# Allegro board 1156197-TDI_VU3P_QSFP28_CXP_V001_1023A-166-20241121_1644_PCB.brd (continued)
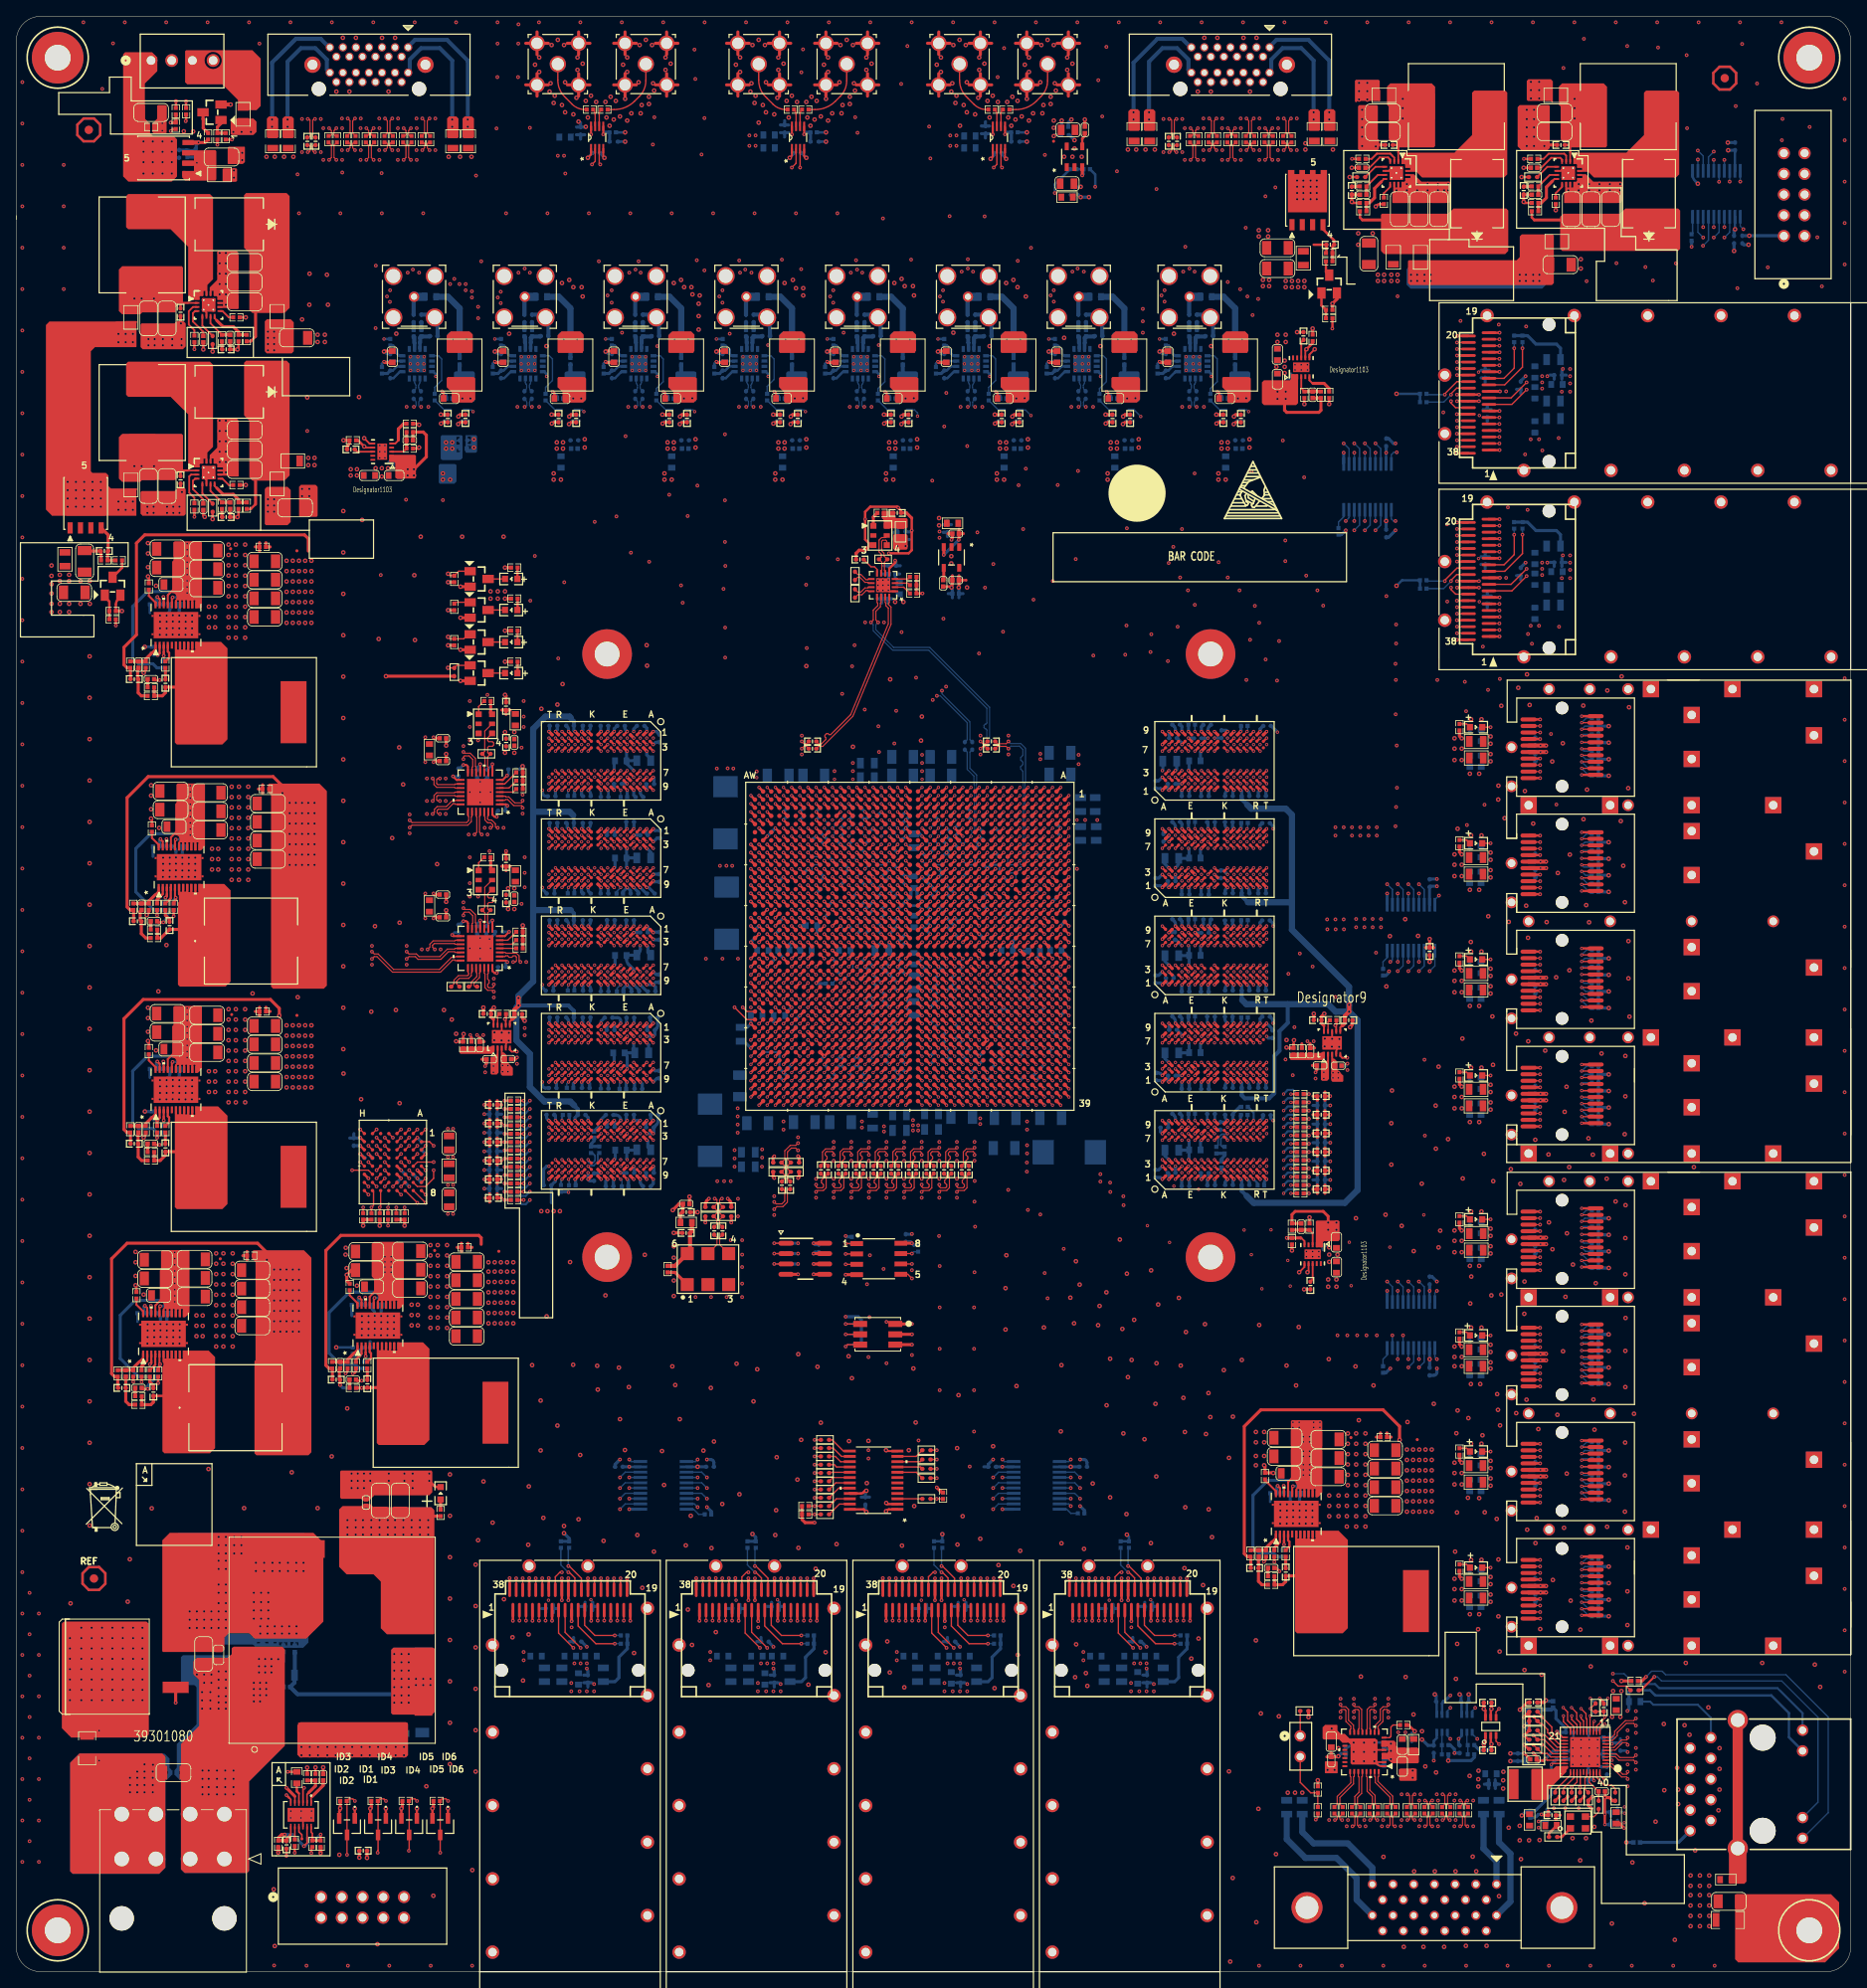
[diagram p0: board, top side]
## Nets (continued)
N23242165: C543.1(CAP2) L41.1 U26.14(PLL1)
N23244330: R280.1 U26.5(TXLF)
N23320159: DS1.2 Q1.3(DRAIN)
N23322808: C2.1(CAP2) C3.1(CAP2) L1.2 U1.W16(VCCADC)
N23413791: R127.1 U13.N9(TEN)
N23413831: R128.2 U13.F9(ZQ)
N23414482: R129.1 U14.N9(TEN)
N23414502: R130.2 U14.F9(ZQ)
N23419167: R131.1 U16.N9(TEN)
N23419176: R133.2 U16.F9(ZQ)
N23419798: C423.1(CAP2) R168.2 R169.2
N23421217: C409.2(CAP1) R155.2 R158.2 U18.1(REFIN)
N23421274: R154.2 U18.9(PGOOD)
N23421546: R132.1 U15.N9(TEN)
N23421558: R134.2 U15.F9(ZQ)
N23421763: R164.1 U17.N9(TEN)
N23421783: R166.2 U17.F9(ZQ)
N23809338: R71.1 U1.P18(VREF_48)
N23917846: R37.1 U1.AF22(VREF_64)
N23968505: R61.1 U1.AF16(VREF_67)
N23971155: R60.1 U1.AF12(VREF_68)
N23983374: R81.2 U1.C22(IO_T0U_N12_VRP_46)
N24010376: R70.2 U1.AJ18(IO_T0U_N12_VRP_66)
N24127214: C652.2(CAP1) L73.2 R341.1 R342.2 U43.6(SW) U43.7(SW_1) U43.8(SW_2) U43.9(SW_3) U43.10(SW_4) U43.11(SW_5)
N24127352: R337.2 U43.22(RF)
N24127394: C651.1(CAP2) R335.2 R336.2 U43.1(VFB)
N24127396: R338.2 U43.21(TRIP)
N24127406: R339.1 U43.20(MODE)
N24127447: C652.1(CAP2) R340.2
N24533060: L42.1 L44.2 R272.1
N25142150: DS1.1 R7.2
N25143762: R42.2 U1.AU23(IO_T0U_N12_VRP_64)
N25440425: C549.1(CAP2) U26.11(SDO_P)
N25440426: C551.1(CAP2) U26.10(SDO_N)
N25442672: L43.1 L45.2 R271.1
N25442778: C545.1(CAP2) U27.11(SDO_P)
N25442780: C547.1(CAP2) U27.10(SDO_N)
N25442824: C544.2(CAP1) R275.2
N25442826: C544.1(CAP2) J17.1 L45.1
N25442844: C546.2(CAP1) R276.2
N25442850: C552.2(CAP1) R276.1 U27.3(SDI_N)
N25442864: R273.1 U27.16(TSI)
N25442868: C542.1(CAP2) L40.1 U27.14(PLL1)
N25442963: R279.1 U27.5(TXLF)
N25446827: L49.1 L51.2 R282.1
N25446933: C573.1(CAP2) U30.11(SDO_P)
N25446935: C575.1(CAP2) U30.10(SDO_N)
N25446979: C572.2(CAP1) R287.2
N25446981: C572.1(CAP2) J20.1 L51.1
N25446999: C574.2(CAP1) R288.2
N25447005: C577.2(CAP1) R288.1 U30.3(SDI_N)
N25447019: R284.1 U30.16(TSI)
N25447100: C567.1(CAP2) L47.1 U30.14(PLL1)
N25447139: L48.1 L50.2 R281.1
N25447233: C569.1(CAP2) U31.11(SDO_P)
N25447235: C571.1(CAP2) U31.10(SDO_N)
N25447291: C568.2(CAP1) R285.2
N25447293: C568.1(CAP2) J19.1 L50.1
N25447311: C570.2(CAP1) R286.2
N25447317: C576.2(CAP1) R286.1 U31.3(SDI_N)
N25447333: R283.1 U31.16(TSI)
N25447337: C566.1(CAP2) L46.1 U31.14(PLL1)
N25447429: R289.1 U31.5(TXLF)
N25447534: R290.1 U30.5(TXLF)
N25659786: C750.1(CAP2) R413.2 R416.1 U50.3(FB)
N25659816: C754.1(CAP2) U50.8(NR_SS)
N25661639: C745.1(CAP2) R411.2 R415.1 U49.3(FB)
N25661667: C753.1(CAP2) U49.8(NR_SS)
N25661669: R409.2 U49.5(PG)
N25767092: R435.2 R437.1 R438.2 U55.12(IN+)
N25767134: C805.1(CAP2) R433.1 R438.1 U55.7(SHDN) U55.11(AOUT)
N25767219: Q5.D R430.1 U55.5(SNS)
N25767247: R432.1 U55.8(FLT)
N25767271: Q5.G R431.1
N25767291: C806.1(CAP2) U55.1(TMR)
N25767309: R434.1 R436.2 U55.2(FB)
N25767313: TP66.1(PIN1) U55.9(EN)
N25767741: DS13.1 R429.2
N26285540: R431.2 U55.4(GATE)
N26625449: R277.1 U26.2(SDI_P)
N26625819: R287.1 U30.2(SDI_P)
N26626341: R285.1 U31.2(SDI_P)
N26626662: R275.1 U27.2(SDI_P)
N26805761: C897.1 MH1.1 R582.2
N27384140: C651.2(CAP1) C653.1(CAP2) R341.2
N27389672: C669.2(CAP1) L74.2 R353.1 R354.2 U44.6(SW) U44.7(SW_1) U44.8(SW_2) U44.9(SW_3) U44.10(SW_4) U44.11(SW_5)
N27389694: C668.1(CAP2) R347.2 R348.2 U44.1(VFB)
N27389709: C668.2(CAP1) C670.1(CAP2) R353.2
N27389809: C669.1(CAP2) R352.2
N28522099: C858.1(CAP2) L105.1 R474.1 X2.6(VDD)
N28522173: R474.2 X2.1(OE)
N28609575: J35.1(INNER SHIELD1) R560.2
N28609600: J35.14(INNER SHIELD2) R561.2
N28609622: J35.15(X0+) R562.2
N28609642: J35.2(X0-) R563.2
N28609662: J35.16(X1+) R564.2
N28609682: J35.3(X1-) R565.2
N28609702: J35.17(X2+) R568.2
N28609722: J35.4(X2-) R570.2
N28609760: J35.19(X3+) R574.2
N28609780: J35.6(X3-) R576.2
N28609813: R578.2 U67.8(EN)
N28609886: R566.2 U67.32(OUT0+)
N28609924: R567.2 U67.31(OUT0-)
N28609975: R569.2 U67.30(OUT1+)
N28609992: J35.11(CC3-) U70.4(B)
N28609998: R571.2 U67.29(OUT1-)
N28610050: R572.2 U67.28(OUT2+)
N28610067: J35.25(CC4-) R579.2
N28610073: R573.2 U67.27(OUT2-)
N28610094: J35.13(INNER SHIELD3) R580.2
N28610104: R575.2 U67.26(OUT3+)
N28610121: J35.26(INNER SHIELD4) R581.2
N28610127: R577.2 U67.25(OUT3-)
N28610168: C890.1(CAP2) C891.1(CAP2) C892.1(CAP2) C893.2(CAP1) C894.2(CAP1) C895.2(CAP1) C896.2(CAP1) L114.2 U67.3(VDD) U67.4(VDD_2) U67.6(VDD_3) U67.7(VDD_4) U67.19(VDD_5) U67.20(VDD_6) U67.21(VDD_7) U67.22(VDD_8)
N28714819: C683.1(CAP2) R357.2 R358.1 U45.1(VFB)
N28714907: C683.2(CAP1) C685.1(CAP2) R363.2
N28714926: R359.2 U45.22(RF)
N28714944: R360.2 U45.21(TRIP)
N28714993: R361.1 U45.20(MODE)
N28714995: C684.1(CAP2) R362.1
N28714997: C684.2(CAP1) L75.1 R363.1 R364.2 U45.6(SW) U45.7(SW_1) U45.8(SW_2) U45.9(SW_3) U45.10(SW_4) U45.11(SW_5)
N28715439: C698.1(CAP2) R369.2 R370.1 U46.1(VFB)
N28715527: C698.2(CAP1) C700.1(CAP2) R377.2
N28715546: R374.2 U46.22(RF)
N28715564: R373.2 U46.21(TRIP)
N28715613: R375.1 U46.20(MODE)
N28715615: C699.1(CAP2) R376.2
N28715617: C699.2(CAP1) L76.2 R377.1 R379.2 U46.6(SW) U46.7(SW_1) U46.8(SW_2) U46.9(SW_3) U46.10(SW_4) U46.11(SW_5)
N28716954: R349.2 U44.22(RF)
N28716969: R350.2 U44.21(TRIP)
N28716973: R351.1 U44.20(MODE)
N28719419: C762.1 L79.2 U52.1(VDD) U52.3(CE)
N28719470: C765.2(CAP1) U52.4(BP)
N28727051: C713.1(CAP2) R384.2 R385.1 U47.1(VFB)
N28727139: C713.2(CAP1) C715.1(CAP2) R390.2
N28727158: R386.2 U47.22(RF)
N28727176: R387.2 U47.21(TRIP)
N28727225: R388.1 U47.20(MODE)
N28727227: C714.1(CAP2) R389.1
N28727229: C714.2(CAP1) L77.1 R390.1 R391.2 U47.6(SW) U47.7(SW_1) U47.8(SW_2) U47.9(SW_3) U47.10(SW_4) U47.11(SW_5)
N28729667: DS12.1 R406.2
N28729793: DS12.2 Q4.3(DRAIN)
N28729887: Q4.1(GATE) R408.1
N28744187: L66.2 U40.30(REG_OUT)
N28744224: R317.1 U40.39(RSET)
N28744267: R316.1 U40.36(XTAL_IN)
N28744413: C633.1(CAP2) L65.2 R313.2 U42.4(VCC)
N28744480: R313.1 U42.1(OE)
N28765392: J25.10 L67.2
N28765481: J25.11 R330.2
N28767196: J25.14 R334.2
N28772898: R312.1 U40.31(INTB/PMEB)
N28774027: C636.2(CAP1) J25.1
N28775955: J25.12 R332.1
N28777171: J25.13 R333.1
N28788474: R318.1 U42.3(OUT)
N28846811: J36.3(P3) L116.1
N28846813: J36.2(P2) R589.2
N28878567: P1.A2(A_TX_FAULT) R172.2
N28878640: P1.A4(A_SDA) R170.2
N28878666: P1.A5(A_SCL) R174.2
N28878705: P1.A6(A_MOD_ABS) R175.2
N28878723: P1.A7(A_RS0) R171.2
N28878743: P1.A9(A_RS1) R176.2
N28878956: P1.B2(B_TX_FAULT) R178.2
N28879017: P1.B4(B_SDA) R180.2
N28879035: P1.B5(B_SCL) R181.2
N28879077: P1.B6(B_MOD_ABS) R182.2
N28879114: P1.B7(B_RS0) R183.2
N28879128: P1.B9(B_RS1) R184.2
N28879322: P1.C2(C_TX_FAULT) R186.2
N28879392: P1.C4(C_SDA) R189.2
N28879411: P1.C5(C_SCL) R190.2
N28879443: P1.C6(C_MOD_ABS) R191.2
N28879486: P1.C7(C_RS0) R192.2
N28879500: P1.C9(C_RS1) R193.2
N28879668: P1.D2(D_TX_FAULT) R195.2
N28879770: P1.D4(D_SDA) R197.2
N28879795: P1.D5(D_SCL) R198.2
N28879825: P1.D6(D_MOD_ABS) R199.2
N28879855: P1.D7(D_RS0) R200.2
N28879883: P1.D9(D_RS1) R201.2
N28880031: DS4.1 R203.1
N28880083: DS5.1 R204.1
N28880127: DS6.1 R205.1
N28880155: DS7.1 R206.1
N28914741: C775.1(CAP2) L82.2 R424.1 U53.1(VDD)
N28914763: R424.2 R425.1 U53.3(CE)
N28914792: C784.2(CAP1) U53.4(BP)
N28959625: R439.1 U56.3(EN)
N28960222: D5.2 L90.2 U56.1(SW) U56.15(SW_2) U56.16(SW_3)
N28972786: R442.2 U56.9(FREQ)
N28972820: C815.2(CAP1) U56.4(SS)
N28973278: R443.1 U56.5(SYNC)
N28973878: C816.1(CAP2) R445.2 U56.7(COMP)
N28973888: C817.1(CAP2) R445.1
N28974621: R440.1 R444.2 U56.8(FB)
N28979775: D6.2 L94.2 U57.1(SW) U57.15(SW_2) U57.16(SW_3)
N28979919: R446.1 R451.2 U57.8(FB)
N28980009: R449.2 U57.9(FREQ)
N28980031: C826.2(CAP1) U57.4(SS)
N28980061: R450.1 U57.5(SYNC)
N28980081: C827.1(CAP2) R452.2 U57.7(COMP)
N28980104: C828.1(CAP2) R452.1
N28981010: R447.1 U57.3(EN)
N28986231: C898.1(CAP2) C899.1(CAP2) L115.2 Q6.1 Q6.2 Q6.3 R584.1
N28986325: C899.2(CAP1) C900.2(CAP1) Q6.4(GATE) R584.2 R585.1
N28986386: Q7.3(DRAIN) R585.2
N28986415: Q7.1(GATE) R587.1 R588.2
N29053114: J36.4(P4) R590.2
N29254348: R21.1 U1.AF27(VREF_65)
N29254644: R27.2 U3.C6(WP_B)
N29254735: R29.1 U3.F7(WAIT)
N29254775: C13.1(CAP2) C14.1(CAP2) C15.1(CAP2) C16.1(CAP2) C17.1(CAP2) C18.1(CAP2) C19.1 L3.2 U3.A4(VPP) U3.A6(VCC1) U3.D5(VCCQ1) U3.D6(VCCQ2) U3.G4(VCCQ3) U3.H3(VCC2)
N29256286: R1.2 U1.AB10(CCLK_0)
N29291080: R83.2 U1.AV6(MGTRREF_R)
N29291799: C90.1(CAP2) U1.U33(MGTREFCLK0P_127)
N29291820: C91.1(CAP2) U1.U34(MGTREFCLK0N_127)
N29293312: R82.2 U1.AV34(MGTRREF_L)
N29295701: C851.1(CAP2) L103.1 R467.1 X1.6(VDD)
N29295729: C855.1 C856.1(CAP2) L104.2 U60.5(VDD)
N29295867: R467.2 X1.1(OE)
N29295972: R468.2 U60.2(IN_SEL)
N29296008: R469.2 U60.3(IN1_P)
N29296045: R470.2 U60.4(IN1_N)
N29296089: R472.1 U60.12(OUT1_N)
N29296106: R472.2 U60.11(OUT1_P)
N29296110: C857.2(CAP1) U60.8(VAC_REF0)
N29296114: R473.1 U60.10(OUT0_N)
N29296138: R473.2 U60.9(OUT0_P)
N29307504: R30.1 U1.P23(VREF_45)
N29307521: R31.2 U1.A27(IO_T0U_N12_VRP_45)
N29312513: R33.1 U1.P28(VREF_44)
N29312530: R36.2 U1.L28(IO_T0U_N12_VRP_44)
N29344016: R32.2 U4.10(OE)
N29461746: R69.1 U1.AF18(VREF_66)
N29483211: R62.2 U1.AG13(IO_T0U_N12_VRP_67)
N29486000: R74.2 U1.N13(IO_T0U_N12_VRP_47)
N29487858: R73.2 U1.P16(IO_T0U_N12_VRP_48)
N29495921: C38.2(CAP1) R47.1 R48.2 TP9.1(PIN1) U1.AP26(IO_L12P_T1U_N10_GC_64)
N29495929: C39.2(CAP1) R43.1 R44.2 TP10.1(PIN1) U1.AP27(IO_L12N_T1U_N11_GC_64)
N29496862: C36.1(CAP2) R38.2 R40.1 U1.AM27(IO_L13P_T2L_N0_GC_QBC_64)
N29496864: C37.1(CAP2) R39.2 R41.1 U1.AN27(IO_L13N_T2L_N1_GC_QBC_64)
N29506324: R63.2 U1.AF10(IO_T0U_N12_VRP_68)
N29529134: R72.1 U1.P11(VREF_47)
N29531363: R80.1 U1.P21(VREF_46)
N29551980: C80.1(CAP2) U1.AJ33(MGTREFCLK0P_124)
N29552001: C83.1(CAP2) U1.AJ34(MGTREFCLK0N_124)
N29553003: C78.1(CAP2) U1.AE33(MGTREFCLK0P_125)
N29553024: C81.1(CAP2) U1.AE34(MGTREFCLK0N_125)
N29553526: C79.1(CAP2) U1.AA33(MGTREFCLK0P_126)
N29553547: C82.1(CAP2) U1.AA34(MGTREFCLK0N_126)
N29556387: C98.1(CAP2) U1.AJ7(MGTREFCLK0P_224)
N29556408: C99.1(CAP2) U1.AJ6(MGTREFCLK0N_224)
N29557449: C96.1(CAP2) U1.AE7(MGTREFCLK0P_225)
N29557470: C97.1(CAP2) U1.AE6(MGTREFCLK0N_225)
N29557994: C100.1(CAP2) U1.AA7(MGTREFCLK0P_226)
N29558010: C101.1(CAP2) U1.AA6(MGTREFCLK0N_226)
N29558479: C102.1(CAP2) U1.U7(MGTREFCLK0P_227)
N29558500: C104.1(CAP2) U1.U6(MGTREFCLK0N_227)
N29559124: C103.1(CAP2) U1.N7(MGTREFCLK0P_228)
N29559145: C105.1(CAP2) U1.N6(MGTREFCLK0N_228)
N29560689: R244.2 U21.10(OE)
N29563240: R253.2 U22.10(OE)
N29565206: R262.2 U23.10(OE)
N29589979: R23.2 U2.7(H\O\L\D\)
N29592808: J3.1 R34.2
N29620196: C868.1(CAP2) L107.1 R481.1 X3.6(VDD)
N29620326: R481.2 X3.1(OE)
N29629196: DS3.1 R51.2
N29629198: DS2.1 R50.2
N29629216: DS3.2 Q3.3(DRAIN)
N29629218: DS2.2 Q2.3(DRAIN)
N29650801: C40.1(CAP2) L4.1 R49.1 U5.6(VDD)
N29650891: R49.2 U5.1(VC/OE/S\T\)
N29656991: C86.1(CAP2) U1.AG33(MGTREFCLK1P_124)
N29657007: C89.1(CAP2) U1.AG34(MGTREFCLK1N_124)
N29657061: C84.1(CAP2) U1.AC33(MGTREFCLK1P_125)
N29657077: C87.1(CAP2) U1.AC34(MGTREFCLK1N_125)
N29657151: C85.1(CAP2) U1.W33(MGTREFCLK1P_126)
N29657167: C88.1(CAP2) U1.W34(MGTREFCLK1N_126)
N29657235: C93.1(CAP2) U1.R33(MGTREFCLK1P_127)
N29657251: C95.1(CAP2) U1.R34(MGTREFCLK1N_127)
N29662268: C872.1 C873.1(CAP2) C874.1(CAP2) C875.1(CAP2) L108.2 U62.8(VDD1) U62.15(VDD2) U62.28(VDD3)
N29662450: R482.2 U62.4(IN_SEL)
N29662524: C876.2(CAP1) U62.11(VAC_REF0)
N29662575: R484.2 U62.5(IN1_P)
N29662581: R485.2 U62.6(IN1_N)
N29662607: C877.2(CAP1) U62.7(VAC_REF1)
N29665073: C862.1 C863.1(CAP2) C864.1(CAP2) C865.1(CAP2) L106.2 U61.8(VDD1) U61.15(VDD2) U61.28(VDD3)
N29665229: R475.2 U61.4(IN_SEL)
N29665247: C866.2(CAP1) U61.11(VAC_REF0)
N29665275: R479.2 U61.5(IN1_P)
N29665279: R480.2 U61.6(IN1_N)
N29665305: C867.2(CAP1) U61.7(VAC_REF1)
N29692691: R501.1 U63.8(SD2)
N29692711: R505.1 U63.10(SD3)
N29692769: R504.1 U63.9(SC2)
N29692789: R506.1 U63.11(SC3)
N29692807: R508.1 U63.13(SD4)
N29692827: R510.1 U63.15(SD5)
N29692847: R512.1 U63.17(SD6)
N29692867: R514.1 U63.19(SD7)
N29692885: R509.1 U63.14(SC4)
N29692905: R511.1 U63.16(SC5)
N29692925: R513.1 U63.18(SC6)
N29692945: R515.1 U63.20(SC7)
N29695486: R502.2 U63.23(SDA)
N29695487: R503.2 U63.22(SCL)
N29695488: R507.2 U63.3(*RESET)
N29704712: C728.1(CAP2) R396.2 R397.2 U48.1(VFB)
N29704800: C728.2(CAP1) C730.1(CAP2) R402.2
N29704822: R398.2 U48.22(RF)
N29704840: R399.2 U48.21(TRIP)
N29704889: R400.1 U48.20(MODE)
N29704891: C729.1(CAP2) R401.2
N29704893: C729.2(CAP1) L78.2 R402.1 R403.2 U48.6(SW) U48.7(SW_1) U48.8(SW_2) U48.9(SW_3) U48.10(SW_4) U48.11(SW_5)
N29753652: P2.A2(A_TX_FAULT) R207.2
N29753726: P2.A4(A_SDA) R213.2
N29753758: P2.A5(A_SCL) R209.2
N29753811: P2.A6(A_MOD_ABS) R210.2
N29753855: P2.A7(A_RS0) R211.2
N29753907: P2.A9(A_RS1) R212.2
N29754190: P2.B2(B_TX_FAULT) R215.2
N29754246: P2.B4(B_SDA) R217.2
N29754266: P2.B5(B_SCL) R218.2
N29754310: P2.B6(B_MOD_ABS) R219.2
N29754349: P2.B7(B_RS0) R220.2
N29754365: P2.B9(B_RS1) R221.2
N29754547: P2.C2(C_TX_FAULT) R224.2
N29754605: P2.C4(C_SDA) R226.2
N29754621: P2.C5(C_SCL) R227.2
N29754647: P2.C6(C_MOD_ABS) R228.2
N29754689: P2.C7(C_RS0) R229.2
N29754705: P2.C9(C_RS1) R230.2
N29754965: P2.D2(D_TX_FAULT) R232.2
N29755085: P2.D4(D_SDA) R234.2
N29755119: P2.D5(D_SCL) R235.2
N29755163: P2.D6(D_MOD_ABS) R236.2
N29755209: P2.D7(D_RS0) R237.2
N29755239: P2.D9(D_RS1) R238.2
N29755391: DS8.1 R240.1
N29755443: DS9.1 R241.1
N29755487: DS10.1 R242.1
N29755515: DS11.1 R243.1
N29778785: C596.2(CAP1) R297.2
N29778786: C596.1(CAP2) J22.1 L57.1
N29778792: C598.2(CAP1) R298.2
N29778795: C601.2(CAP1) R298.1 U34.3(SDI_N)
N29778798: R294.1 U34.16(TSI)
N29778800: C591.1(CAP2) L53.1 U34.14(PLL1)
N29778819: R300.1 U34.5(TXLF)
N29778828: L55.1 L57.2 R292.1
N29778834: C597.1(CAP2) U34.11(SDO_P)
N29778835: C599.1(CAP2) U34.10(SDO_N)
N29778846: L54.1 L56.2 R291.1
N29778850: C593.1(CAP2) U35.11(SDO_P)
N29778851: C595.1(CAP2) U35.10(SDO_N)
N29778859: C592.2(CAP1) R295.2
N29778860: C592.1(CAP2) J21.1 L56.1
N29778867: C594.2(CAP1) R296.2
N29778870: C600.2(CAP1) R296.1 U35.3(SDI_N)
N29778873: R293.1 U35.16(TSI)
N29778875: C590.1(CAP2) L52.1 U35.14(PLL1)
N29778894: R299.1 U35.5(TXLF)
N29778905: L61.1 L63.2 R302.1
N29778909: C621.1(CAP2) U38.11(SDO_P)
N29778910: C623.1(CAP2) U38.10(SDO_N)
N29778918: C620.2(CAP1) R307.2
N29778919: C620.1(CAP2) J24.1 L63.1
N29778926: C622.2(CAP1) R308.2
N29778929: C625.2(CAP1) R308.1 U38.3(SDI_N)
N29778932: R304.1 U38.16(TSI)
N29778936: C615.1(CAP2) L59.1 U38.14(PLL1)
N29778940: L60.1 L62.2 R301.1
N29778944: C617.1(CAP2) U39.11(SDO_P)
N29778945: C619.1(CAP2) U39.10(SDO_N)
N29778953: C616.2(CAP1) R305.2
N29778954: C616.1(CAP2) J23.1 L62.1
N29778958: C618.2(CAP1) R306.2
N29778961: C624.2(CAP1) R306.1 U39.3(SDI_N)
N29778965: R303.1 U39.16(TSI)
N29778967: C614.1(CAP2) L58.1 U39.14(PLL1)
N29778986: R309.1 U39.5(TXLF)
N29779005: R310.1 U38.5(TXLF)
N29779008: R297.1 U34.2(SDI_P)
N29779011: R307.1 U38.2(SDI_P)
N29779015: R305.1 U39.2(SDI_P)
N29779020: R295.1 U35.2(SDI_P)
N29783182: R477.1 U61.22(OUT4_P)
N29783195: R477.2 U61.23(OUT4_N)
N29783199: R478.1 U61.24(OUT5_P)
N29783212: R478.2 U61.25(OUT5_N)
N29783843: C92.1(CAP2) U1.N33(MGTREFCLK0P_128)
N29783864: C94.1(CAP2) U1.N34(MGTREFCLK0N_128)
N29785843: R418.2 U51.5(PG)
N29785944: C757.1(CAP2) R419.2 R421.1 U51.3(FB)
N29786027: C760.1(CAP2) U51.8(NR_SS)
N29788043: R454.1 U58.3(EN)
N29788064: D7.2 L97.2 U58.1(SW) U58.15(SW_2) U58.16(SW_3)
N29788083: R456.2 U58.9(FREQ)
N29788084: C837.2(CAP1) U58.4(SS)
N29788087: R457.1 U58.5(SYNC)
N29788091: C838.1(CAP2) R459.2 U58.7(COMP)
N29788094: C839.1(CAP2) R459.1
N29788101: R453.1 R458.2 U58.8(FB)
N29788120: D8.2 L101.2 U59.1(SW) U59.15(SW_2) U59.16(SW_3)
N29788138: R461.1 R465.2 U59.8(FB)
N29788147: R460.1 U59.3(EN)
N29788153: R463.2 U59.9(FREQ)
N29788158: C848.2(CAP1) U59.4(SS)
N29788162: R464.1 U59.5(SYNC)
N29788172: C849.1(CAP2) R466.2 U59.7(COMP)
N29788177: C850.1(CAP2) R466.1
N29803483: J27.13(INNER SHIELD3) R544.2
N29803484: J27.26(INNER SHIELD4) R545.2
N29803489: J27.1(INNER SHIELD1) R516.2
N29803490: J27.14(INNER SHIELD2) R517.2
N29803505: J27.24(X1-) R525.2
N29803506: J27.10(X2+) R528.2
N29803507: C880.1(CAP2) J27.22(XCLK-)
N29803509: J27.11(X1+) R524.2
N29803510: J27.25(X0-) R518.2
N29803511: C879.1(CAP2) J27.9(XCLK+)
N29803512: J27.12(X0+) R521.2
N29803513: J27.23(X2-) R529.2
N29807250: J28.1(INNER SHIELD1) R519.2
N29807267: J28.14(INNER SHIELD2) R520.2
N29807287: J28.12(X0+) R522.2
N29807305: J28.25(X0-) R523.2
N29807406: J28.11(X1+) R526.2
N29807430: J28.24(X1-) R527.2
N29807492: J28.10(X2+) R530.2
N29807516: J28.23(X2-) R531.2
N29807581: C881.1(CAP2) J28.9(XCLK+)
N29807608: C882.1(CAP2) J28.22(XCLK-)
N29808008: J28.13(INNER SHIELD3) R546.2
N29808025: J28.26(INNER SHIELD4) R547.2
N29863451: C883.1(CAP2) L109.2 L110.2 U64.8(VCCB)
N29863542: J29.1(SIG) R548.2
N29863544: R548.1 U64.7(B1)
N29863611: R549.2 R550.1 U64.5(DIR)
N29863635: R551.1 U64.6(B2)
N29863669: J30.1(SIG) R551.2
N29863699: C887.1(CAP2) L112.2 L113.2 U66.8(VCCB)
N29863790: J32.1(SIG) R555.2
N29863792: R555.1 U66.7(B1)
N29863859: R557.2 R558.1 U66.5(DIR)
N29863883: R559.1 U66.6(B2)
N29863917: J34.1(SIG) R559.2
N29864503: C885.1(CAP2) L111.2 U65.8(VCCB)
N29864561: J31.1(SIG) R552.2
N29864563: R552.1 U65.7(B1)
N29864642: R553.2 R554.1 U65.5(DIR)
N29864666: R556.1 U65.6(B2)
N29864700: J33.1(SIG) R556.2
N29865270: J27.5(CC1+) R532.1
N29865288: J27.18(CC1-) R533.1
N29865306: J27.17(CC2+) R536.1
N29865324: J27.4(CC2-) R537.1
N29865342: J27.3(CC3+) R540.1
N29865360: J27.16(CC3-) R541.1
N29865498: J28.5(CC1+) R534.2
N29865516: J28.18(CC1-) R535.2
N29865534: J28.17(CC2+) R538.2
N29865552: J28.4(CC2-) R539.2
N29865570: J28.3(CC3+) R542.2
N29865588: J28.16(CC3-) R543.2
N29910847: C902.1(CAP2) C903.1(CAP2) L117.2 Q8.1 Q8.2 Q8.3 R592.1
N29910865: L89.1 L93.1 Q8.5 Q8.6 Q8.7 Q8.8
N29910934: C903.2(CAP1) Q8.4(GATE) R592.2 R593.1
N29910979: Q9.3(DRAIN) R593.2
N29911008: Q9.1(GATE) R594.1 R595.2
N29938726: C907.1(CAP2) C908.1(CAP2) L118.2 Q10.1 Q10.2 Q10.3 R596.1
N29938744: L96.1 L100.1 Q10.5 Q10.6 Q10.7 Q10.8
N29938818: C908.2(CAP1) Q10.4(GATE) R596.2 R597.1
N29938863: Q11.3(DRAIN) R597.2
N29938892: Q11.1(GATE) R598.1 R599.2
N30109422: J35.24(CC3+) U69.4(B)
N30110782: R600.1 R601.2 U69.5(DIR)
N30111301: R602.1 R603.2 U70.5(DIR)
N30132318: TP1.1(PIN1) U1.AW28(IO_L1P_T0L_N0_DBC_RS0_65)
N30132319: TP2.1(PIN1) U1.AW29(IO_L1N_T0L_N1_DBC_RS1_65)
N241274570: R340.1 U43.4(VBST)
N254427481: C542.2(CAP1) U27.13(PLL2)
N254472061: C566.2(CAP1) U31.13(PLL2)
N273868450: C661.2(CAP1) R342.1
N273966991: C677.2(CAP1) R354.1
N287148553: R362.2 U45.4(VBST)
N287151270: C692.2(CAP1) R364.1
N287157470: C707.2(CAP1) R379.1
N287270873: R389.2 U47.4(VBST)
N287273590: C722.2(CAP1) R391.1
N293224279: R188.2 U19.10(OE)
N293881123: R352.1 U44.4(VBST)
N297047483: R401.1 U48.4(VBST)
N297050160: C737.2(CAP1) R403.1
N297077913: R376.1 U46.4(VBST)
N297774209: R222.2 U20.10(OE)
N2323820015: C543.2(CAP1) U26.13(PLL2)
N2544678615: C567.2(CAP1) U30.13(PLL2)
N2977906715: C614.2(CAP1) U39.13(PLL2)
N2977931715: C591.2(CAP1) U34.13(PLL2)
N2977952715: C590.2(CAP1) U35.13(PLL2)
N2977961715: C615.2(CAP1) U38.13(PLL2)

Pads without a net: J1 6 7 8; J17 3; J18 3; J19 3; J20 3; J21 3; J22 3; J23 3; J24 3; J27 2 6 7 8 15 19 20 21; J28 2 6 7 8 15 19 20 21; J35 12; MH3 1; MH4 1; REF 1; REF#2 1; REF#3 1; REF#4 1; REF#5 1; REF#6 1; U1 A20 AC6 AC7 AF4 AF5 AG6 AG7 AG18 AG29 AH4 AH5 AH14 AJ23 AJ24 AK4 AK5 AK14 AK18 AK24 AK25 AL27 AM4 AM5 AM18 AN24 AN26 AP4 AP5 AP13 AR16 AR21 AT4 AT5 AT18 AT21 AU6 AU7 AU24 AU25 AU28 AV20 AW6 AW7 AW16 C14 D13 D19 D20 G14 H13 H21 J21 L6 L7 L33 L34 N14 N21 P20 R6 R7 W6 W7; U3 E8 F1 G2; U5 2; U7 T7; U8 T7; U9 T7; U10 T7; U11 T7; U13 T7; U14 T7; U15 T7; U16 T7; U17 T7; U26 1 4 6 7 9 12; U27 1 4 6 7 9 12; U30 1 4 6 7 9 12; U31 1 4 6 7 9 12; U34 1 4 6 7 9 12; U35 1 4 6 7 9 12; U38 1 4 6 7 9 12; U39 1 4 6 7 9 12; U40 35; U43 5; U44 5; U46 5; U48 5; U63 4 5 6 7; U67 23 24; U68 1 2 3 4; X1 2; X2 2; X3 2

## Via types
v1: diameter 0.457, hole 0.203, TOP to BOTTOM, 2998 vias
v2: diameter 0.559, hole 0.254, TOP to BOTTOM, 2489 vias
v3: diameter 0.406, hole 0.203, TOP to BOTTOM, 2036 vias
